# Altium PCB AEX1_PiOBD_V0.2_ALLPCB_6L.PcbDoc (part 4 of 4)
Units mm, origin at the board's own origin, x right, y up, seen from the top; angles counter-clockwise.
Board outline 130.5 x 65 mm, 6 copper layers (L1, L2(GND), L3, L4(PWR), L5(GND), L6), stack 1.565 mm thick; 307 components, 207 nets, 1196 pads, 423 vias.
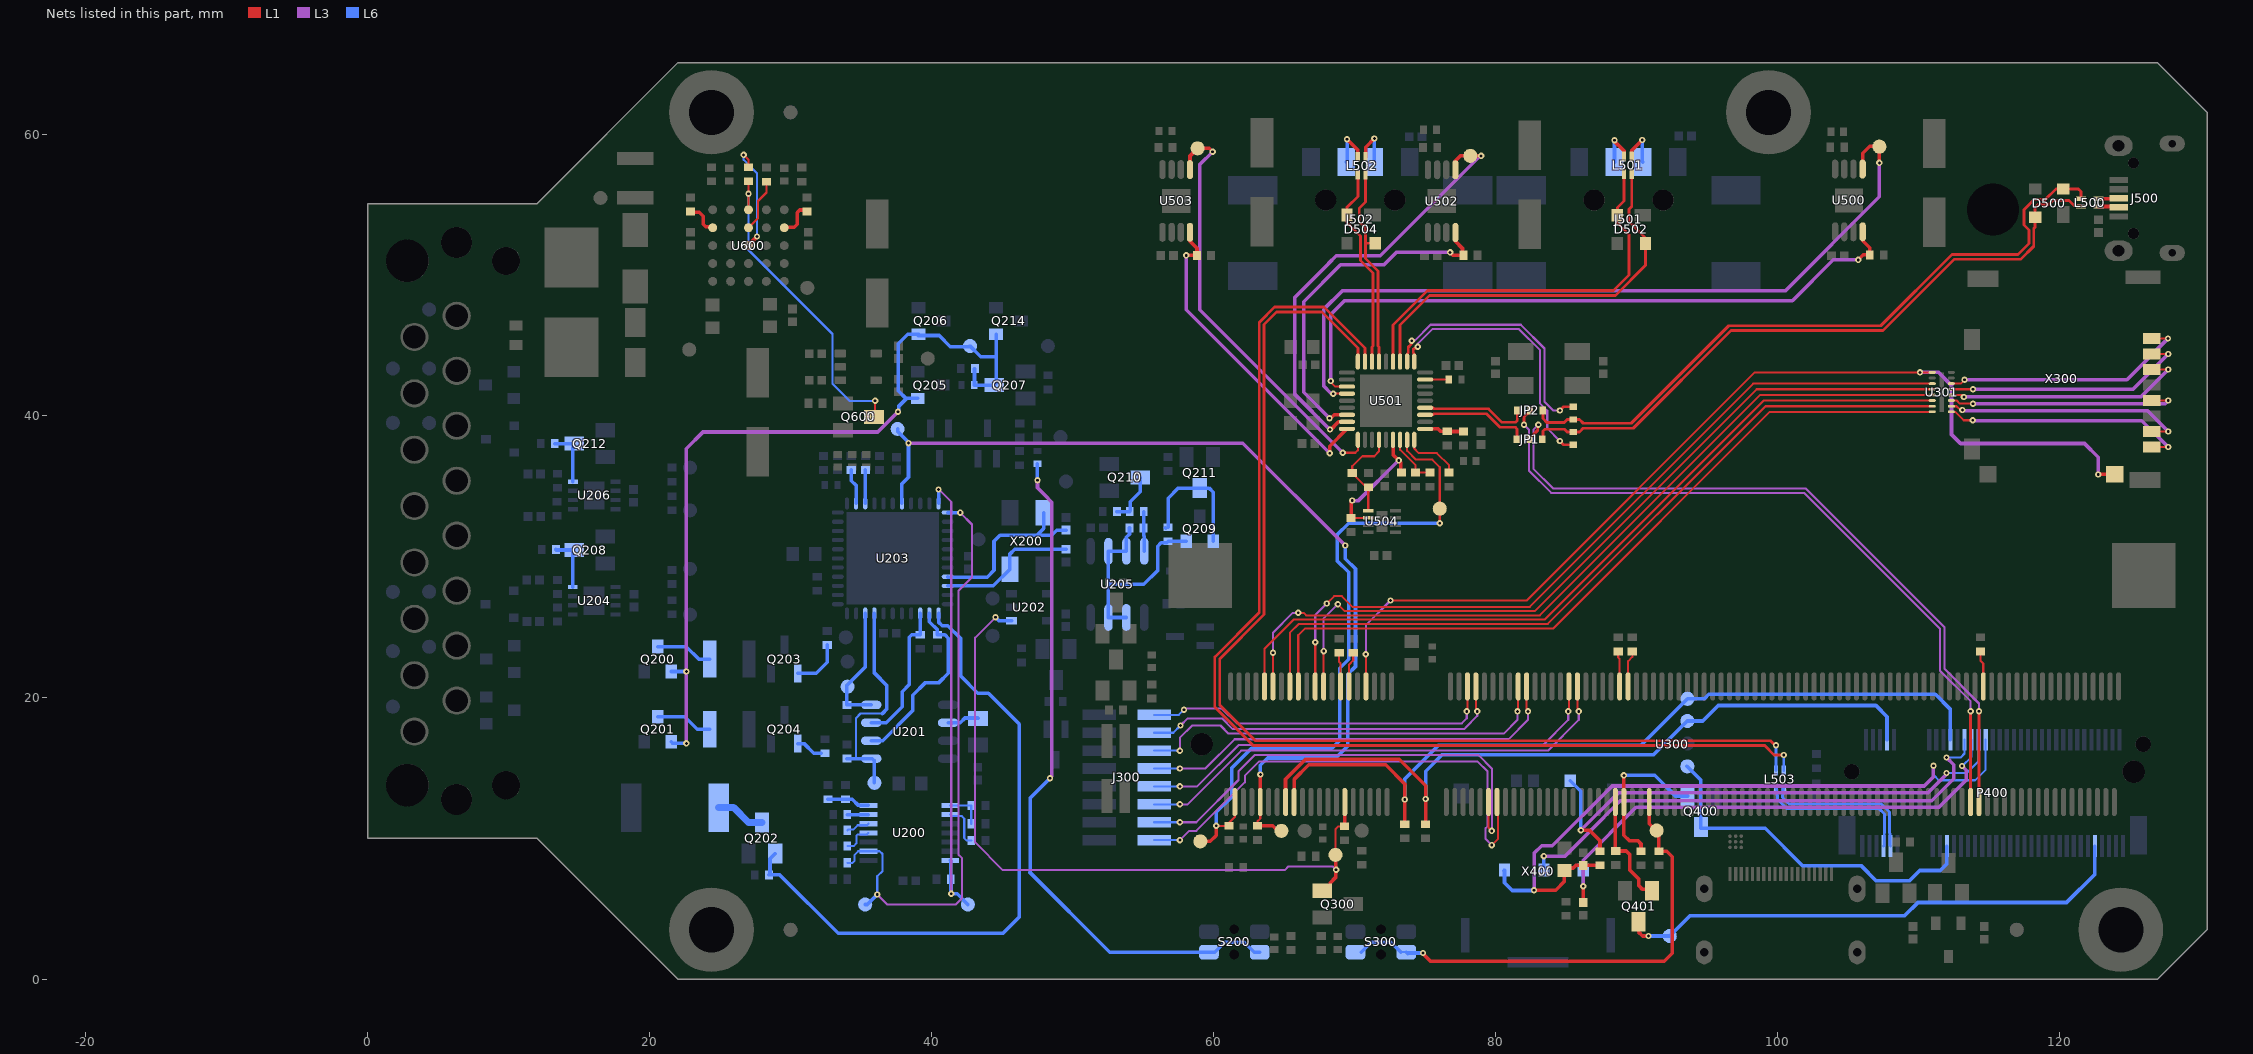
[diagram p8: the nets of this part, all layers, seen from the top]

## Via types
v1: diameter 0.45, hole 0.2, L1 to L6, tented both sides, 378 vias
v2: diameter 0.5, hole 0.2, L1 to L6, tented both sides, 45 vias

## Nets (pads, with @x,y where several pads share a name; then routed paths per layer and width w, separated by ;. In a path a pad name is that pad's centre, name@x,y a point inside that pad or via, vN(x,y) a via of type N, cw(c..) or ccw(c..) an arc to the next point about the centre after c; other vN are vias at no path point) (continued)
NetP400_8: P400.8 R306.2 TP401.1 U300.15 | length 54.3
  L1 w0.254: U300.15@65.125,12.607 65.119,12.613 65.119,14.232 66.535,15.648 73.178,15.648 75.057,13.769 v1(75.057,12.824) R306.2@75.057,11.037
  L6 w0.254: v1(75.057,12.824) 75.057,14.797 76.207,15.947 91.22,15.947 TP401.1@93.625,18.352 94.722,18.352 95.823,19.453 107.01,19.453 107.796,18.667 P400.8@107.796,17.029
NetP400_25: P400.25 Q400.D TP402.1 | length 25.6
  L6 w0.254: TP402.1@93.599,15.138 94.594,14.144 94.594,10.734 99.153,10.734 101.788,8.099 105.95,8.099 107.041,7.008 109.37,7.008 110.111,7.749 111.578,7.749 112.046,8.217 P400.25@112.046,9.479
NetP400_26: P400.26 R307.2 TP403.1 U300.17 | length 58.6
  L1 w0.254: U300.17@65.725,12.607 65.725,14.2 66.769,15.244 72.231,15.244 73.597,13.878 73.584,13.865 v1(73.584,12.783) 73.584,12.735 73.597,12.722 73.574,12.7 R307.2@73.574,11.037
  L6 w0.254: v1(73.584,12.783) 73.584,14.243 75.975,16.634 90.345,16.634 TP403.1@93.644,19.932 94.847,19.932 95.157,20.242 111.23,20.242 112.296,19.176 P400.26@112.296,17.029
NetP400_67: P400.67 Q401.D TP410.1 | length 36.9
  L1 w0.254: Q401.D@90.167,4.004 90.167,3.387 90.462,3.092 90.469,3.099 v1(90.875,3.099)
  L6 w0.254: v1(90.875,3.099) TP410.1@92.381,3.099 93.811,4.529 109.039,4.529 109.988,5.478 120.535,5.478 122.546,7.489 P400.67@122.546,9.479
NetQ200_3: Q200.3 R207.2 | length 4
  L6 w0.254: Q200.3@20.574,23.634 22.607,23.634 23.491,22.749 R207.2@24.254,22.749
NetQ201_3: Q201.3 R208.2 | length 4
  L6 w0.254: Q201.3@20.574,18.652 22.483,18.652 23.368,17.767 R208.2@24.254,17.767
NetQ202_D: Q202.D R203.1 | length 3.5
  L6 w0.5: R203.1@24.892,12.212 25.964,12.212 27.027,11.149 Q202.D@27.962,11.149
NetQ203_1: Q203.1 R211.2 | length 3.6
  L6 w0.254: Q203.1@30.517,21.734 31.817,21.734 32.602,22.519 R211.2@32.602,23.745
NetQ204_1: Q204.1 R212.1 | length 1.9
  L6 w0.254: Q204.1@30.517,16.752 30.959,16.752 31.648,16.062 32.158,16.062 R212.1@32.158,16.067
NetQ208_D: Q208.D R216.1 U204.8 | length 3.9
  L6 w0.254: R216.1@13.352,30.522 13.389,30.485 14.558,30.485 14.558,27.87 U204.8@14.548,27.86
NetQ209_1: Q209.1 Q211.D R227.1 | length 9.2
  L6 w0.254: R227.1@56.576,32.062 R227.1@56.61,32.028 ; R227.1@56.789,32.107 56.789,34.164 57.506,34.881 Q211.D@59.034,34.881 59.683,34.881 59.984,34.58 Q209.1@59.984,31.103
NetQ210_D: Q210.D R226.1 R230.2 | length 3.6
  L6 w0.254: R230.2@53.152,33.215 R226.1@54.065,33.215 54.109,33.259 54.109,33.921 54.802,34.613 Q210.D@54.802,35.641
NetQ212_D: Q212.D R229.1 U206.8 | length 4
  L6 w0.254: R229.1@13.266,38.036 14.558,38.036 U206.8@14.558,35.335
NetQ300_G: Q300.G R302.2 TP302.1 U202.1 U300.29 | length 51.8
  L1 w0.15: TP302.1@68.665,8.856 68.665,10.68 68.859,10.875 69.275,10.875 R302.2@69.292,10.892
  L1 w0.254: Q300.G@67.732,6.309 67.932,6.309 68.305,6.682 68.305,6.882 68.669,7.247 68.669,7.76 68.686,7.777 68.686,8.835 TP302.1@68.665,8.856 ; R302.2@69.292,10.892 69.308,10.908 69.308,12.59 U300.29@69.325,12.607
  L3 w0.15: v1(44.546,25.717) 43.092,24.263 43.092,9.74 45.063,7.769 65.059,7.769 65.316,8.026 68.478,8.026 v1(68.707,7.798)
  L6 w0.254: v1(44.546,25.717) 44.787,25.475 U202.1@45.675,25.475
NetQ400_G: Q400.G R315.2 U300.83 | length 11.4
  L1 w0.254: v1(89.125,14.498) U300.83@89.125,12.607 89.125,10.24 89.495,9.869 90.103,9.869 90.341,9.631 R315.2@90.341,9.118
  L6 w0.254: v1(89.125,14.498) 91.319,14.498 92.784,13.034 Q400.G@93.644,13.034
NetQ401_G: Q401.G R314.2 U300.81 | length 8.1
  L1 w0.254: U300.81@88.525,12.607 88.525,9.152 R314.2@88.544,9.132 89.289,9.132 89.535,8.886 89.535,7.782 90.17,7.147 90.17,6.685 90.452,6.404 Q401.G@91.117,6.404
NetQ600_D: Q600.D R606.2 U600.C5 | length 22.7
  L1 w0.15: U600.C5@27.014,54.626 v1(27.014,55.765) R606.2@27.014,56.65 ; Q600.D@35.919,39.933 36,40.014 v1(36,41.079)
  L6 w0.15: v1(27.014,55.765) 27.014,51.778 32.977,45.814 32.977,42.286 34.216,41.048 35.969,41.048 v1(36,41.079)
NetR202_1: R202.1 U201.6 | length 2.3
  L6 w0.254: U201.6@41.175,18.227 42.035,18.227 42.375,18.567 43.275,18.567 R202.1@43.3,18.542
NetR205_2: R205.2 R209.1 U200.7 | length 3.1
  L6 w0.254: R209.1@32.654,12.809 R205.2@33.886,12.809 34.373,12.809 34.819,12.364 U200.7@35.523,12.364
NetR206_1: R206.1 U200.6 | length 1.5
  L6 w0.254: R206.1@34.028,11.71 34.03,11.712 35.521,11.712 U200.6@35.523,11.714
NetR225_1: R225.1 R226.2 U205.4 | length 2.8
  L6 w0.254: R226.2@55.065,33.215 55.065,32.065 R225.1@55.049,32.05 55.049,31.498 55.094,31.453 U205.4@55.094,30.4
NetR235_1: R235.1 U200.4 | length 2.2
  L6 w0.15: R235.1@34.028,9.479 34.478,9.479 34.668,9.669 34.668,10.221 34.756,10.309 35.418,10.309 U200.4@35.523,10.414
NetR236_1: R236.1 U200.5 | length 1.7
  L6 w0.15: R236.1@34.028,10.604 34.092,10.668 34.478,10.668 34.769,10.959 35.418,10.959 U200.5@35.523,11.064
NetR240_1: R240.1 U203.13 | length 2.5
  L6 w0.254: R240.1@34.306,36.165 34.306,35.407 34.65,35.063 U203.13@34.65,33.792
NetR241_1: R241.1 U203.14 | length 2.4
  L6 w0.254: U203.14@35.3,33.792 35.306,33.798 R241.1@35.306,36.165
NetR243_1: R243.1 R249.2 U200.8 | length 2.8
  L6 w0.15: U200.8@41.323,12.364 R243.1@42.832,12.364 42.823,12.355 R249.2@42.823,11.064
NetR246_1: R246.1 U200.9 | length 3.1
  L6 w0.15: U200.9@41.323,11.714 41.428,11.609 42.144,11.609 42.323,11.43 42.323,10.045 42.5,9.869 R246.1@42.823,9.869
NetR247_2: R247.2 S200.3 S200.4 | length 49.3
  L3 w0.25: 48.26,34.16 48.534,33.886 ; v1(48.403,14.293) 48.534,14.424 48.534,23.717
  L3 w0.254: v1(47.518,35.437) 47.518,34.902 48.26,34.16 ; 48.534,23.717 48.534,33.886
  L6 w0.25: 46.99,7.602 46.99,12.88 v1(48.403,14.293) ; v1(47.518,35.437) R247.2@47.518,36.606 ; 58.42,1.953 S200.4@59.682,1.953 60.085,1.953 60.799,2.667 62.193,2.667 62.907,1.953 S200.3@63.282,1.953
  L6 w0.254: 46.99,7.602 52.64,1.953 58.42,1.953
NetR300_1: R300.1 TP300.1 TP501.1 U300.3 U501.26 | length 48.1
  L1 w0.15: v1(60.205,10.922) 60.213,10.914 R300.1@61.1,10.914 61.1,11.118 61.525,11.543 U300.3@61.525,12.607 ; U501.26@73.75,38.304 73.75,37.526 74.372,36.903 75.526,36.903 76.061,36.368 v1(76.061,32.382)
  L1 w0.254: TP300.1@59.074,9.817 59.788,9.817 60.205,10.234 v1(60.205,10.922)
  L6 w0.254: v1@60.205,10.914 v1(60.205,10.922) 60.205,11.871 61.316,12.983 61.316,15.028 62.71,16.422 68.413,16.422 68.961,16.971 68.961,22.107 69.596,22.742 69.596,28.906 68.796,29.706 68.796,31.582 69.596,32.382 v1(76.061,32.382)
NetR301_1: R301.1 TP215.1 TP301.1 U203.18 U300.9 | length 67.2
  L1 w0.15: R301.1@63.132,10.914 63.132,11.237 63.325,11.43 U300.9@63.325,12.607
  L1 w0.254: R301.1@63.071,10.975 R301.1@63.132,10.914 ; U300.9@63.325,12.607 63.325,14.546 v1(63.332,14.554) ; R301.1@63.386,10.914 64.217,10.914 TP301.1@64.571,10.56 ; TP301.1@64.712,10.56 TP301.1@64.825,10.56
  L3 w0.254: v1(38.37,38.072) 62.092,38.072 v1(69.362,30.803)
  L6 w0.254: TP215.1@37.592,39.078 37.592,38.903 38.368,38.127 38.368,38.074 v1(38.37,38.072) 38.37,35.649 37.9,35.18 U203.18@37.9,33.792 ; v1(63.332,14.554) 63.332,15.211 63.847,15.726 68.674,15.726 69.53,16.582 69.53,21.667 70.082,22.219 70.082,29.15 69.362,29.87 v1(69.362,30.803)
NetR304_2: R304.2 U300.30 | length 2.5
  L1 w0.15: U300.30@69.625,20.807 69.625,22.354 69.925,22.654 R304.2@69.925,23.192
NetR305_2: R305.2 U300.28 | length 2.4
  L1 w0.15: R305.2@68.925,23.192 68.925,22.537 69.025,22.437 U300.28@69.025,20.807
NetR316_2: R316.2 U300.84 | length 2.6
  L1 w0.15: U300.84@89.425,20.807 89.425,22.605 89.725,22.905 R316.2@89.725,23.292
NetR317_2: R317.2 U300.82 | length 2.5
  L1 w0.15: R317.2@88.725,23.292 88.725,22.854 88.825,22.754 U300.82@88.825,20.807
NetR318_2: R318.2 S300.3 S300.4 TP314.1 U300.89 | length 34.9
  L1 w0.254: v1(74.867,1.894) 74.821,1.894 75.403,1.312 91.99,1.312 92.55,1.872 92.55,8.729 92.16,9.118 R318.2@91.606,9.118 91.606,10.374 90.925,11.055 U300.89@90.925,12.607
  L6 w0.15: S300.3@73.391,1.953 S300.3@73.682,1.953
  L6 w0.25: S300.4@70.485,1.953 71.199,2.667 72.593,2.667 S300.3@73.307,1.953
  L6 w0.254: S300.3@73.682,1.953 73.793,1.841 73.846,1.894 v1(74.867,1.894)
NetR319_1: R319.1 U300.168 | length 2.6
  L1 w0.15: R319.1@114.425,23.292 114.425,22.63 114.625,22.43 U300.168@114.625,20.807
NetR500_2: R500.2 U501.18 U503.4 | length 23.1
  L1 w0.25: v1(58.072,51.391) R500.2@58.838,51.391 ; U503.4@58.338,52.396 U503.4@58.338,53.029
  L1 w0.254: U503.4@58.338,52.396 58.838,51.896 R500.2@58.838,51.391 ; v1(68.252,37.358) 68.252,37.856 U501.18@69.475,39.079
  L3 w0.254: v1(58.072,51.391) 58.072,47.538 v1(68.252,37.358)
NetR501_2: R501.2 U501.16 U502.4 | length 25
  L1 w0.15: R501.2@77.675,51.404 R501.2@77.74,51.404
  L1 w0.25: U502.4@77.175,53.017 77.175,52.384 77.675,51.884 R501.2@77.675,51.404
  L1 w0.254: v1(68.243,39.837) 68.332,39.837 68.575,40.079 U501.16@69.475,40.079 ; v1(76.795,51.604) 76.995,51.404 R501.2@77.675,51.404
  L3 w0.254: v1(68.243,39.837) 66.407,41.672 66.407,48.106 69.024,50.723 72.108,50.723 72.988,51.604 v1(76.795,51.604)
NetR502_2: R502.2 U500.4 U501.12 | length 47.9
  L1 w0.15: v1(68.332,42.476) 68.332,42.395 68.648,42.079 U501.12@69.475,42.079
  L1 w0.25: U500.4@106.064,53.065 106.064,52.432 106.564,51.932 R502.2@106.564,51.427
  L1 w0.254: v1(105.758,51.073) 106.111,51.427 R502.2@106.564,51.427
  L3 w0.254: v1(68.332,42.476) 68.332,47.186 68.326,47.192 69.304,48.17 101.086,48.17 103.99,51.073 v1(105.758,51.073)
NetR504_2: R504.2 U501.27 | length 4.1
  L1 w0.15: U501.27@74.25,38.304 74.25,37.685 74.577,37.358 75.855,37.358 76.723,36.49 R504.2@76.723,35.979
NetR506_2: R506.2 U501.35 | length 1.7
  L1 w0.15: U501.35@75.025,42.579 R506.2@76.7,42.579
NetR510_2: R510.2 R511.2 U501.28 | length 2.8
  L1 w0.254: U501.28@75.025,39.079 75.937,39.079 76.11,38.906 76.594,38.906 R511.2@76.596,38.908 76.608,38.895 R510.2@77.751,38.895
NetR512_1: R512.1 R517.2 U501.22 U504.5 | length 6.9
  L1 w0.15: U504.5@70.989,33.261 70.989,34.936 R512.1@70.999,34.945 70.856,34.945 R517.2@69.856,35.945 69.856,36.426 70.573,37.143 71.412,37.143 71.75,37.481 U501.22@71.75,38.304
NetR513_1: R513.1 R516.2 U501.24 U504.6 | length 9.5
  L1 w0.15: R513.1@69.769,32.761 U504.6@70.989,32.761 ; R516.2@73.301,36.028 R516.2@73.35,35.979
  L1 w0.254: R513.1@69.769,32.761 69.769,33.915 v1(69.85,33.996) ; U501.24@72.75,38.304 72.75,37.249 v1(73.152,36.847) 73.301,36.698 R516.2@73.301,36.028
  L3 w0.254: v1(69.85,33.996) 70.301,33.996 v1(73.152,36.847)
NetR514_1: R514.1 R515.2 U501.25 | length 3.8
  L1 w0.15: U501.25@73.25,38.304 73.25,37.594 74.35,36.494 R515.2@74.35,35.979 R514.1@75.375,35.979
NetR602_2: R602.2 U600.A4 | length 2.4
  L1 w0.254: R602.2@22.906,54.503 22.963,54.446 23.515,54.446 23.802,54.159 23.802,53.607 23.98,53.429 24.401,53.429 U600.A4@24.474,53.356
NetR603_2: R603.2 U600.E4 | length 2.7
  L1 w0.254: U600.E4@29.554,53.356 29.578,53.379 30.253,53.379 30.48,53.607 30.48,54.429 30.661,54.61 31.054,54.61 R603.2@31.161,54.503
NetR604_2: R604.2 U600.C4 | length 3.8
  L1 w0.15: U600.C4@27.014,53.356 27.686,54.028 27.686,55.252 28.288,55.854 R604.2@28.288,56.622
NetR606_1: R606.1 U600.C3 | length 7.8
  L1 w0.15: v1(26.67,58.522) 27.014,58.178 R606.1@27.014,57.65
  L1 w0.254: U600.C3@27.014,52.086 27.014,52.133 v1(27.614,52.733)
  L6 w0.15: 26.67,58.268 26.67,58.166 27.614,57.222 v1(27.614,52.733)
NetTP503_1: TP503.1 U500.5 U501.13 | length 56.1
  L1 w0.15: v1(68.501,41.579) U501.13@69.475,41.579
  L1 w0.254: U500.5@106.064,57.515 106.064,58.644 106.564,59.144 107.218,59.144 TP503.1@107.254,59.107 v1(107.254,57.954)
  L3 w0.254: v1(68.501,41.579) 68.369,41.579 67.818,42.131 67.818,47.547 69.163,48.892 100.593,48.892 107.254,55.554 v1(107.254,57.954)
NetTP506_1: TP506.1 U501.17 U502.5 | length 32
  L1 w0.15: U501.17@69.466,39.57 U501.17@69.475,39.579
  L1 w0.25: U502.5@77.175,57.467 77.175,58.097 77.53,58.452 TP506.1@78.232,58.452 v1(78.994,58.452)
  L1 w0.254: v1(68.27,39.032) 68.27,38.966 68.883,39.579 U501.17@69.475,39.579
  L3 w0.25: 68.174,50.812 65.786,48.424 65.786,41.516 v1(68.27,39.032) ; 74.279,53.803 76.987,56.512 ; v1@78.928,58.452 v1@78.994,58.518
  L3 w0.254: 68.174,50.812 68.719,51.358 71.833,51.358 74.279,53.803 ; 76.987,56.512 78.928,58.452 v1(78.994,58.452)
NetTP509_1: TP509.1 U501.19 U503.5 | length 30.7
  L1 w0.15: v1(69.182,37.386) 70.072,37.386 70.25,37.563 U501.19@70.25,38.304
  L1 w0.25: U503.5@58.338,57.479 58.338,58.197
  L1 w0.254: 58.338,58.197 58.338,58.447 TP509.1@58.881,58.989 59.702,58.989 v1(59.944,58.747)
  L3 w0.254: v1(59.944,58.747) 59.035,57.838 59.035,47.532 v1(69.182,37.386)
NetU301_9: U301.9 X300.8 | length 17.6
  L1 w0.15: U301.9@112.355,40.29 112.642,40.29 113.237,39.695 v1(113.881,39.695) ; X300.8@126.58,37.79 v1(127.75,37.79)
  L3 w0.254: v1(113.881,39.695) 113.91,39.666 125.874,39.666 v1(127.75,37.79)
NetU301_10: U301.10 X300.7 | length 17.3
  L1 w0.15: U301.10@112.355,40.69 112.727,40.69 112.991,40.426 v1(113.142,40.426) ; X300.7@126.58,38.89 v1(127.75,38.89)
  L3 w0.254: v1(113.142,40.426) 113.212,40.357 126.283,40.357 v1(127.75,38.89)
NetU301_11: U301.11 X300.5 | length 16.8
  L1 w0.15: U301.11@112.355,41.09 112.752,41.09 112.966,40.876 113.881,40.876 v1(113.898,40.859) ; X300.5@126.58,41.09 v1(127.75,41.09)
  L3 w0.254: v1(113.898,40.859) 127.519,40.859 v1(127.75,41.09)
NetU301_12: U301.12 X300.3 | length 17.4
  L1 w0.15: U301.12@112.355,41.49 113.102,41.49 v1(113.25,41.342) ; X300.3@126.58,43.29 v1(127.75,43.29)
  L3 w0.254: v1(113.25,41.342) 113.269,41.361 125.821,41.361 v1(127.75,43.29)
NetU301_13: U301.13 X300.2 | length 17.6
  L1 w0.15: U301.13@112.355,41.89 v1(113.898,41.89) ; X300.2@126.58,44.39 v1(127.75,44.39)
  L3 w0.254: v1(113.898,41.89) 125.25,41.89 v1(127.75,44.39)
NetU301_14: U301.14 X300.1 | length 17.9
  L1 w0.15: U301.14@112.355,42.29 113.017,42.29 v1(113.298,42.571) ; X300.1@126.58,45.49 v1(127.737,45.49)
  L3 w0.254: v1(113.298,42.571) 124.818,42.571 v1(127.737,45.49)
OSC1: C214.1 U203.30 X200.3 | length 12.8
  L6 w0.254: U203.30@41.15,28.592 41.15,28.554 43.947,28.554 44.434,29.041 44.434,31.107 44.864,31.538 47.485,31.538 ; X200.3@47.964,33.122 47.964,32.018 47.485,31.538 ; C214.1@49.547,31.898 48.891,31.898 48.531,31.538 47.485,31.538
OSC2: C215.1 U203.31 X200.1 | length 10.1
  L6 w0.25: U203.31@41.15,27.942 44.384,27.942 X200.1@45.564,29.122
  L6 w0.254: X200.1@45.564,29.122 45.564,30.204 45.903,30.542 45.905,30.54 C215.1@49.547,30.54
PWM_RX: R234.1 TP214.1 U200.2 U203.23 | length 42.9
  L3 w0.15: v1(36.149,6.047) 36.862,5.334 41.721,5.334 42.15,5.763 42.15,8.645 41.91,8.885 41.91,27.575 42.877,28.542 42.877,32.3 42.036,33.141 v1(42.035,33.142)
  L6 w0.15: R234.1@34.028,8.293 34.39,8.293 34.544,8.446 34.544,8.859 34.799,9.114 U200.2@35.523,9.114 36.321,9.114 36.518,8.918 36.518,7.706 36.149,7.337 v1(36.149,6.047)
  L6 w0.254: TP214.1@35.296,5.334 35.436,5.334 v1(36.149,6.047) ; U203.23@41.15,33.142 v1(42.035,33.142)
PWR_SAVE: JP201.2 Q200.1 Q201.1 Q205.1 Q206.1 Q207.D Q214.1 R215.1 TP207.1 | length 59.6
  L3 w0.254: v1(22.607,16.764) v1(22.607,21.864) 22.607,37.683 23.786,38.862 36.196,38.862 v1(37.624,40.29)
  L6 w0.254: Q201.1@21.524,16.882 21.642,16.764 v1(22.607,16.764) ; Q200.1@21.524,21.864 v1(22.607,21.864) ; v1(37.624,40.29) 37.662,40.328 37.662,40.67 38.232,41.24 ; Q205.1@39.029,41.24 38.232,41.24 ; R215.1@43.077,43.355 43.052,43.33 43.052,42.215 JP201.2@43.027,42.19 Q207.D@44.461,42.19 44.581,42.31 44.581,44.196 ; Q214.1@44.581,45.786 44.581,44.196 ; 38.232,41.24 38.189,41.24 37.644,41.785 37.644,45.113 38.317,45.786 Q206.1@39.077,45.786 39.077,45.709 40.539,45.709 41.334,44.914 42.686,44.914 TP207.1@42.729,44.958 43.491,44.196 44.581,44.196
RXD0_ALT0/RXD1_ALT5: J300.15 U300.53 | length 35.3
  L1 w0.15: v1(79.756,9.546) 80.206,9.996 80.206,12.526 U300.53@80.125,12.607
  L3 w0.15: v1(57.623,9.903) 58.28,10.56 58.785,10.56 62.23,14.005 62.23,14.478 63.246,15.494 64.225,15.494 77.49,15.494 78.728,15.494 79.456,14.766 79.456,10.896 79.306,10.746 79.306,9.996 v1(79.756,9.546)
  L6 w0.15: J300.15@55.798,9.903 v1(57.623,9.903)
RXD0_ALT2: J300.7 U300.60 | length 30.4
  L1 w0.15: U300.60@82.225,20.807 82.225,19.136 v1(82.325,19.036)
  L3 w0.15: v1(57.623,14.983) 59.433,14.983 61.506,17.056 80.948,17.056 82.325,18.432 v1(82.325,19.036)
  L6 w0.15: J300.7@55.798,14.983 v1(57.623,14.983)
RXD0_ALT3/RXD1_ALT5: J300.3 U300.48 | length 26.2
  L1 w0.15: U300.48@78.625,20.807 78.625,19.136 v1(78.725,19.036)
  L3 w0.15: v1(57.668,18.034) 57.668,18.036 58.171,18.539 60.608,18.539 61.368,17.779 77.789,17.779 77.907,17.898 78.725,18.715 v1(78.725,19.036)
  L6 w0.15: J300.3@55.798,17.523 57.157,17.523 v1(57.668,18.034)
RXD1_ALT3: J300.11 U300.72 | length 35
  L1 w0.15: U300.72@85.825,20.807 85.825,19.136 v1(85.925,19.036)
  L3 w0.15: v1(57.623,12.443) 58.171,12.443 61.976,16.248 83.74,16.248 85.925,18.432 v1(85.925,19.036)
  L6 w0.15: J300.11@55.798,12.443 v1(57.623,12.443)
SDX_CLK: U300.10 U301.6 | length 57.4
  L1 w0.15: U300.10@63.625,20.807 63.625,23.49 65.684,25.549 83.496,25.549 99.038,41.09 U301.6@111.005,41.09
SDX_CMD: U300.12 U301.5 | length 57.7
  L1 w0.15: U300.12@64.225,20.807 v1(64.225,23.192) ; v1(66.025,26.03) 66.407,26.03 66.589,25.849 83.164,25.849 98.806,41.49 U301.5@111.005,41.49
  L3 w0.15: v1(64.225,23.192) 64.225,24.613 65.643,26.03 v1(66.025,26.03)
SDX_D0: U300.16 U301.7 | length 56
  L1 w0.15: U300.16@65.425,20.807 65.425,24.604 66.07,25.249 83.732,25.249 99.173,40.69 U301.7@111.005,40.69
SDX_D1: U300.18 U301.8 | length 55.2
  L1 w0.15: U300.18@66.025,20.807 66.025,24.442 66.493,24.909 84.092,24.909 99.473,40.29 U301.8@111.005,40.29
SDX_D2: U300.22 U301.3 | length 56.3
  L1 w0.15: U300.22@67.225,20.807 v1(67.225,23.94) ; v1(68.047,26.692) 68.564,27.21 69.104,27.21 69.862,26.451 82.459,26.451 98.298,42.29 U301.3@111.005,42.29
  L3 w0.15: v1(67.225,23.94) 67.225,25.87 v1(68.047,26.692)
SDX_D3: U300.24 U301.4 | length 55.1
  L1 w0.15: U300.24@67.825,20.807 v1(67.825,23.31) ; v1@68.834,26.625 69.308,26.151 82.813,26.151 98.552,41.89 U301.4@111.005,41.89
  L3 w0.15: v1(67.825,23.31) 67.825,25.632 v1(68.834,26.641)
SW_CAN_LOAD: Q202.G R210.2 U203.34 | length 46.3
  L6 w0.254: Q202.G@28.912,8.949 28.539,8.576 28.539,7.51 R210.2@28.462,7.433 29.238,7.433 33.375,3.295 45.077,3.295 46.228,4.446 46.228,18.136 44.039,20.325 43.292,20.325 42.069,21.548 42.069,24.205 41.157,25.118 40.755,25.118 40.5,25.372 U203.34@40.5,25.992
SW_CAN_MODE0: R214.1 U201.2 U203.35 | length 13.2
  L6 w0.254: U201.2@35.725,16.957 36.534,16.957 38.677,19.1 38.677,20.186 39.573,21.082 40.53,21.082 41.199,21.751 41.199,24.231 40.954,24.476 R214.1@40.422,24.476 ; U203.35@39.85,25.992 39.85,25.407 40.422,24.835 R214.1@40.422,24.5
SW_CAN_MODE1: R213.1 U201.3 U203.36 | length 10.2
  L6 w0.254: U201.3@35.725,18.227 36.784,18.227 37.919,19.362 37.919,20.438 38.423,20.943 38.423,24.292 38.607,24.476 R213.1@39.2,24.476 U203.36@39.2,25.992
SW_CAN_RX: R200.2 TP201.1 U201.4 U203.42 | length 8.8
  L6 w0.254: U203.42@35.3,25.992 35.3,22.187 34.036,20.924 34,20.887 R200.2@34,19.497 U201.4@35.725,19.497
SW_CAN_TX: R201.1 TP200.1 U201.1 U203.41 | length 16.1
  L6 w0.15: 34.544,15.687 34.65,15.793 34.65,18.57 34.965,18.885 36.518,18.885
  L6 w0.254: R201.1@34.007,15.687 34.544,15.687 U201.1@35.725,15.687 35.79,15.687 35.95,15.527 TP200.1@35.95,13.965 ; U203.41@35.95,25.992 35.95,21.759 36.835,20.874 36.835,19.203 36.518,18.885
TXD0_ALT0/TXD1_ALT5: J300.13 U300.51 | length 33.4
  L1 w0.15: U300.51@79.525,12.607 79.525,10.791 v1(79.756,10.56) v1@79.756,10.445
  L3 w0.15: v1(57.623,11.173) 58.786,11.173 61.782,14.169 61.782,14.792 62.932,15.942 63.749,15.942 63.754,15.948 78.794,15.948 79.756,14.986 v1(79.756,10.56)
  L6 w0.15: J300.13@55.798,11.173 v1(57.623,11.173)
TXD0_ALT2: J300.5 U300.58 | length 31.7
  L1 w0.15: v1(81.578,19.036) 81.625,19.083 U300.58@81.625,20.807
  L3 w0.15: v1(57.623,16.248) 57.623,17.169 58.489,18.034 60.501,18.034 61.075,17.46 80.605,17.46 81.578,18.432 v1(81.578,19.036)
  L6 w0.15: v1@57.401,16.253 J300.5@55.798,16.253 55.803,16.248 57.401,16.248 v1(57.623,16.248)
TXD0_ALT3/TXD1_ALT5: J300.1 U300.46 | length 25.2
  L1 w0.15: v1(77.978,19.036) 78.025,19.083 U300.46@78.025,20.807
  L3 w0.15: v1(57.912,19.156) 58.002,19.246 60.614,19.246 61.677,18.183 77.622,18.183 77.978,18.539 v1(77.978,19.036)
  L6 w0.15: J300.1@55.798,18.793 57.549,18.793 v1(57.912,19.156)
TXD1_ALT3: J300.9 U300.70 | length 33.7
  L1 w0.15: v1(85.178,19.036) 85.225,19.083 U300.70@85.225,20.807
  L3 w0.15: v1(57.623,13.713) 58.849,13.713 61.788,16.652 83.397,16.652 85.178,18.432 v1(85.178,19.036)
  L6 w0.15: J300.9@55.798,13.713 v1(57.623,13.713)
UIM1_CLK: C400.2 P400.32 X400.1 | length 37
  L1 w0.254: v1(86.244,6.63) v1(86.244,6.63) 86.246,5.473 C400.2@86.247,5.472
  L3 w0.254: v1(86.244,6.63) 86.244,8.482 89.991,12.229 111.485,12.229 113.419,14.163 113.419,14.855 v1(113.114,15.159)
  L6 w0.15: v1(113.114,15.159) 113.142,15.159 113.796,15.813 P400.32@113.796,17.029
  L6 w0.254: v1(86.244,6.63) 86.244,7.771 X400.1@86.251,7.778
UIM1_DATA: P400.34 R401.2 X400.4 | length 38.1
  L1 w0.254: v1(86.075,10.604) 86.692,10.604 87.433,9.864 R401.2@87.433,9.118
  L3 w0.254: v1(86.075,10.604) 88.721,13.25 110.694,13.25 112.014,14.57 v1(112.014,14.663)
  L6 w0.15: v1(112.014,14.663) 113.448,14.663 114.296,15.512 P400.34@114.296,17.029
  L6 w0.254: X400.4@85.322,14.116 86.075,13.364 v1(86.075,10.604)
UIM1_PWR: C401.2 C402.2 P400.36 R401.1 X400.3 | length 50.2
  L1 w0.254: v1(82.753,6.342) 84.28,6.342 84.904,6.966 C401.2@84.904,7.748 85.08,7.923 85.531,7.923 85.714,8.106 C402.2@86.238,8.106 86.244,8.112 87.427,8.112 R401.1@87.433,8.106 ; C401.2@84.687,7.766 84.719,7.798 C401.2@84.687,7.829
  L3 w0.254: v1(82.753,6.342) 82.753,8.963 83.289,9.499 84.05,9.499 88.292,13.741 110.442,13.741 111.091,14.389 v1(111.091,15.181)
  L6 w0.15: v1(111.091,15.181) 111.091,14.527 111.47,14.148 114.046,14.148 114.796,14.898 P400.36@114.796,17.029
  L6 w0.254: X400.3@80.612,7.736 X400.3@80.652,7.776 80.652,6.887 81.209,6.33 82.741,6.33 v1(82.753,6.342)
UIM1_RESET: P400.30 X400.2 | length 36.5
  L3 w0.254: v1(83.447,8.766) 84.947,8.766 86.577,10.396 86.577,10.398 88.871,12.692 110.967,12.692 112.541,14.266 112.541,15.241 v1(112.014,15.768)
  L6 w0.15: v1(112.014,15.768) 113.02,15.768 113.296,16.044 P400.30@113.296,17.029
  L6 w0.254: v1(83.447,8.766) 83.452,8.76 X400.2@83.452,7.776
USB1_N: J500.2 L500.3 | length 1.5
  L1 w0.254: L500.3@122.8,54.859 124.166,54.859 J500.2@124.23,54.795
USB1_P: J500.3 L500.2 | length 1.4
  L1 w0.254: L500.2@122.8,55.409 124.193,55.409 J500.3@124.23,55.445
USB2_N: J501.2 L501.3 | length 3.1
  L1 w0.254: L501.3@89.683,58.407 89.683,58.836 v1(90.424,59.577)
  L6 w0.254: v1(90.424,59.577) 90.424,58.053 J501.2@90.459,58.018
USB2_P: J501.3 L501.2 | length 3.1
  L1 w0.254: v1(88.459,59.56) 88.407,59.56 88.392,59.545 89.133,58.804 L501.2@89.133,58.407
  L6 w0.254: J501.3@88.459,58.018 v1(88.459,59.56)
USB3_N: J502.2 L502.3 | length 3.2
  L1 w0.254: L502.3@70.8,58.389 70.8,59.058 v1(71.423,59.68)
  L6 w0.254: J502.2@71.423,58.018 v1(71.423,59.68)
USB3_P: J502.3 L502.2 | length 3.2
  L1 w0.254: v1(69.485,59.636) 70.25,58.871 L502.2@70.25,58.389
  L6 w0.254: J502.3@69.423,58.018 69.485,58.08 v1(69.485,59.636)
USB_LTE_N: L503.3 P400.9 | length 11.2
  L6 w0.2: L503.3@100.471,13.586 100.421,13.536 100.421,13.162 100.371,13.112 100.371,12.936 100.832,12.475 107.385,12.475 107.971,11.889 107.971,10.403 107.996,10.378 107.996,9.529 P400.9@108.046,9.479
USB_LTE_P: L503.2 P400.7 | length 11.2
  L6 w0.2: L503.2@99.921,13.586 99.971,13.536 99.971,13.162 100.021,13.112 100.021,12.791 100.687,12.125 107.24,12.125 107.621,11.744 107.621,10.403 107.596,10.378 107.596,9.529 P400.7@107.546,9.479
USB_RPI_N: JP1.1 U300.167 | length 51.8
  L1 w0.2: JP1.1@82.433,38.354 82.433,38.404 83.01,38.981 83.01,39.322 v1(83.058,39.37) ; U300.167@114.325,12.607 v1(114.325,19.05)
  L3 w0.15: v1(83.058,39.37) 82.705,39.017 82.705,36.246 84.102,34.849 102.038,34.849 111.869,25.018 111.869,22.049 114.325,19.594 v1(114.325,19.05)
USB_RPI_P: JP2.1 U300.165 | length 51.6
  L1 w0.2: v1(82.042,39.37) 82.042,39.919 82.459,40.336 JP2.1@82.459,40.386 ; U300.165@113.725,12.607 v1(113.725,19.05)
  L3 w0.15: v1(82.042,39.37) 82.395,39.017 82.395,36.117 83.974,34.539 101.91,34.539 111.559,24.89 111.559,21.921 113.725,19.755 v1(113.725,19.05)
USBDN1_N: JP3.2 U501.1 | length 19.3
  L1 w0.2: U501.1@74.25,43.854 74.231,43.873 74.231,44.435 74.175,44.491 74.175,44.729 74.235,44.789 74.304,44.789 74.429,44.914 v1(74.496,44.914) ; v1(84.582,38.22) 84.844,37.958 JP3.2@85.537,37.958
  L3 w0.15: v1(74.496,44.914) 74.496,45.12 75.534,46.157 81.681,46.157 83.185,44.653 83.185,40.869 83.688,40.366 83.688,39.114 v1(84.582,38.22)
USBDN1_P: JP4.2 U501.2 | length 18.4
  L1 w0.2: U501.2@73.75,43.854 73.769,43.873 73.769,44.435 73.825,44.491 73.825,44.874 74.024,45.073 74.024,45.291 v1(74.072,45.339) ; v1(84.582,40.386) 84.844,40.648 JP4.2@85.537,40.648
  L3 w0.15: v1(74.072,45.339) 74.277,45.339 75.406,46.467 81.809,46.467 83.495,44.782 83.495,40.997 84.106,40.386 v1(84.582,40.386)
USBDN2_N: D502.4 L501.4 U501.3 | length 28.8
  L1 w0.2: U501.3@73.25,43.854 73.25,46.459 75.346,48.556 88.523,48.556 90.662,50.695 D502.4@90.662,52.237 90.662,52.633 89.484,53.812 89.484,54.662 89.683,54.861 L501.4@89.683,57.157
USBDN2_P: D502.2 L501.1 U501.4 | length 28.5
  L1 w0.2: U501.4@72.75,43.854 72.75,46.454 75.201,48.906 88.378,48.906 89.484,50.011 89.484,52.865 88.662,53.687 D502.2@88.662,54.237 88.662,54.787 89.133,55.258 L501.1@89.133,57.157
USBDN3_N: D504.4 L502.4 U501.6 | length 14.8
  L1 w0.2: L502.4@70.8,57.139 70.8,55.173 70.344,54.717 70.344,53.793 70.783,53.353 70.783,52.261 ; D504.4@71.485,52.255 70.789,52.255 70.783,52.261 ; U501.6@71.75,43.854 71.75,44.882 71.675,44.957 71.675,50.277 70.783,51.168 70.783,52.261
USBDN3_P: D504.2 L502.1 U501.7 | length 14.4
  L1 w0.2: L502.1@70.25,57.139 70.25,55.57 69.485,54.805 D504.2@69.485,54.255 69.485,53.705 70.433,52.757 70.433,51.023 70.51,50.946 71.325,50.132 71.325,44.957 71.25,44.882 U501.7@71.25,43.854
USBDN4_N: L503.4 U501.8 | length 81.6
  L1 w0.2: U501.8@70.75,43.854 70.75,44.82 67.851,47.719 64.343,47.719 63.252,46.628 63.252,26.051 60.102,22.902 60.102,19.334 60.205,19.231 62.831,16.605 99.118,16.605 99.776,15.947 v1(100.471,15.947)
  L6 w0.2: L503.4@100.471,14.836 v1(100.471,15.947)
USBDN4_P: L503.1 U501.9 | length 79.8
  L1 w0.2: U501.9@70.25,43.854 70.25,44.825 67.706,47.369 64.488,47.369 63.602,46.483 63.602,25.906 60.452,22.757 60.452,19.479 62.976,16.955 99.532,16.955 99.853,16.634 v1(99.921,16.634)
  L6 w0.2: L503.1@99.921,14.836 v1(99.921,16.634)
USBDNX_N: D500.4 JP1.3 JP3.1 L500.4 | length 47.4
  L1 w0.2: JP1.3@83.333,38.354 83.39,38.411 83.39,38.929 83.52,39.059 84.905,39.059 85.106,38.858 JP3.1@85.537,38.858 85.968,38.858 86.238,39.128 89.793,39.128 96.715,46.05 107.5,46.05 112.561,51.111 117.277,51.111 118.209,52.043 118.209,53.293 118.306,53.391 D500.4@118.306,54.104 118.306,54.781 118.522,54.997 119.273,54.997 119.572,55.296 120.718,55.296 121.105,54.909 121.5,54.909 L500.4@121.55,54.859
USBDNX_P: D500.2 JP2.3 JP4.1 L500.1 | length 48.4
  L1 w0.2: JP2.3@83.359,40.386 83.379,40.366 83.379,39.811 83.65,39.54 84.898,39.54 85.106,39.748 JP4.1@85.537,39.748 85.977,39.748 86.247,39.478 89.648,39.478 96.57,46.4 107.355,46.4 112.416,51.461 117.095,51.461 117.859,52.225 117.859,53.203 117.526,53.536 117.526,54.628 118.244,55.347 119.024,55.347 119.782,56.104 D500.2@120.306,56.104 121.366,56.104 121.55,55.92 L500.1@121.55,55.409
USBDNZ_N: JP1.2 U501.30 | length 7.7
  L1 w0.2: U501.30@75.025,40.079 75.044,40.098 75.606,40.098 75.661,40.154 79.367,40.154 80.326,39.195 81.429,39.195 81.546,39.078 81.546,38.408 JP1.2@81.512,38.375
  L1 w0.254: JP1.2@81.512,38.375 JP1.2@81.533,38.354
USBDNZ_P: JP2.2 U501.31 | length 7.7
  L1 w0.2: U501.31@75.025,40.579 75.044,40.56 75.606,40.56 75.661,40.504 79.512,40.504 80.471,39.545 81.429,39.545 81.559,39.675 JP2.2@81.559,40.386
V_J1850: Q209.2 R225.2 R227.2 U205.2 U205.3 U205.6 U205.7 | length 16.8
  L6 w0.254: U205.6@53.824,25.699 U205.7@52.554,25.699 52.554,28.049 ; R225.2@54.049,32.05 54.049,31.612 53.824,31.387 U205.3@53.824,30.4 U205.2@52.554,30.4 52.554,28.049 ; Q209.2@58.084,31.103 58.08,31.107 R227.2@56.789,31.107 56.674,30.993 56.289,30.993 56.049,30.752 56.049,29.034 55.064,28.049 52.554,28.049
VPW_RX: R244.1 TP217.1 U200.14 U203.22 | length 34
  L3 w0.15: v1@40.513,34.795 41.402,33.906 v1(41.402,6.096)
  L6 w0.254: U203.22@40.5,33.792 v1(40.5,34.782) ; U200.14@41.323,8.464 41.362,8.425 R244.1@41.362,7.125 41.382,7.105 41.382,6.116 v1(41.402,6.096) 41.818,6.096 TP217.1@42.58,5.334
WP/CD: U300.34 U301.1 X300.9 | length 71.5
  L1 w0.15: v1(70.815,23.085) 70.815,20.817 U300.34@70.825,20.807 ; v1(72.568,26.901) 82.226,26.901 98.415,43.09 v1(110.138,43.09) U301.1@111.005,43.09
  L1 w0.254: v1@122.781,35.85 X300.9@123.95,35.85
  L3 w0.15: v1(70.815,23.085) 70.815,25.149 v1(72.568,26.901)
  L3 w0.254: v1(110.138,43.09) 111.446,43.09 112.372,42.164 112.372,38.683 113.013,38.042 121.809,38.042 122.781,37.07 v1(122.781,35.84)
pads on no net: D100.3 D200.2 D201.2 D202.2 D203.2 D207.2 FD1.1 FD2.1 FD3.1 FD4.1 FD5.1 FD6.1 J1.17 J500.4 J500.MH1 J500.MH2 J501.MH1 J501.MH2 J502.MH1 J502.MH2 P100.8 P100.9 P100.12 P100.13 P100.M P400.1 P400.20 P400.21 P400.22 P400.23 P400.24 P400.28 P400.29 P400.31 P400.35 P400.37 P400.38 P400.41 P400.42 P400.43 P400.44 P400.46 P400.47 P400.48 P400.49 P400.50 P400.52 P400.53 P400.54 P400.55 P400.56 P400.58 P400.59 P400.60 P400.61 P400.62 P400.63 P400.64 P400.65 P400.66 P400.68 P400.69 P400.75 P400.M S200.H1 S200.H2 S300.H1 S300.H2 U200.13 U205.5 U205.8 U300.11 U300.23 U300.35 U300.36 U300.45 U300.47 U300.52 U300.54 U300.57 U300.59 U300.63 U300.64 U300.65 U300.66 U300.69 U300.71 U300.75 U300.76 U300.77 U300.78 U300.87 U300.93 U300.94 U300.95 U300.96 U300.99 U300.100 U300.101 U300.102 U300.105 U300.106 U300.107 U300.108 U300.112 U300.114 U300.118 U300.120 U300.124 U300.126 U300.128 U300.130 U300.132 U300.135 U300.136 U300.137 U300.138 U300.141 U300.142 U300.143 U300.144 U300.147 U300.148 U300.149 U300.150 U300.153 U300.154 U300.155 U300.156 U300.158 U300.159 U300.160 U300.161 U300.162 U300.166 U300.172 U300.174 U300.176 U300.177 U300.178 U300.179 U300.180 U300.MH1 U300.MH2 U301.2 U302.B1 U500.8 U501.5 U501.11 U501.20 U501.21 U501.34 U502.8 U503.8 U600.A5 U600.E5 X300.11 X300.12 X300.13 X300.14 X300.15 X400.5
copper on no net: | length 0.5
  L1 w0.15: 68.985,42.579 69.475,42.579

## Polygon pours and split planes (outlines as drawn)
GND on L1 "GND_L01_P095" (solid, pour order 95): -0.046,10 -0.045,55.019 11.955,55.019 21.935,65 126.954,65 130.454,61.5 130.454,3.5 130.455,3.5 126.955,0 21.955,0 11.955,10
DLC on L1 "L1-DLC_IC" (solid, pour order 18): 30.139,51.288 30.139,50.439 29.807,50.107 27.943,50.107 27.614,50.436 26.296,50.436 26.006,50.146 20.701,50.146 20.701,51.653 24.807,51.653 24.807,52.616 25.209,53.019 28.879,53.019 29.554,52.344 29.554,51.605 29.775,51.605
1.8V on L1 "L1-1.8V" (solid, pour order 44): 118.837,11.562 118.998,11.401 119.878,11.407 120.025,11.554 120.025,19.3 120.325,19.719 120.325,21.921 120.103,22.142 119.323,22.142 119.125,21.945 119.125,14.11 118.837,13.822
3.3V on L1 "L1-3.3V" (solid, pour order 32): 22.041,50.216 25.881,50.216 26.205,49.916 26.204,48.507 25.301,47.414 25.038,47.048 25.038,45.661 26.425,45.661 29.864,45.661 29.864,41.048 29.175,40.497 22.511,40.497 21.844,41.164 21.844,49.974
3.3V on L1 "3.3V_L01_P093" (solid, pour order 93): 32.004,45.653 35.142,45.653 35.142,43.868 35.087,43.813 32.004,43.813
5V on L1 "5V_L01_P087" (solid, pour order 87): 35.052,50.009 35.062,50.018 38.1,50.018 38.1,45.816 35.052,45.816
5V on L1 "L1-5V" (solid, pour order 38): 37.165,49.988 28.13,50.03 27.851,49.751 27.851,47.534 28.091,47.294 31.379,47.294 31.996,46.55 32.003,45.816 37.167,45.816 37.165,46.098
GND on L6 "GND_L06_P097" (solid, pour order 97): 0,10.042 0,55.061 12,55.061 21.981,65.042 127,65.042 130.5,61.542 130.5,3.542 127,0.042 22,0.042 12,10.042
5V on L6 "5V_L06_P083" (solid, pour order 83): 36.727,50.018 40.056,50.018 40.056,45.816 36.727,45.816
3.3V_SW on L6 "L6-3.3V_SW" (solid, pour order 91): 45.466,45.212 45.974,44.704 47.327,44.704 48.701,46.077 48.701,47.802 47.913,48.59 45.974,48.59 45.466,48.082
3.3V on L6 "L6-3.3V" (solid, pour order 89): 42.519,46.183 42.564,46.228 45.466,46.228 45.466,47.93 45.39,48.006 46.228,48.844 46.228,49.898 43.429,49.898 42.519,48.988
GND on L3 "GND_L03_P099" (solid, remove dead copper, pour order 99): 0,10.042 0,55.061 12,55.061 21.981,65.042 127,65.042 130.5,61.542 130.5,3.542 127,0.042 22,0.042 12,10.042
GND on L2(GND) (split plane): 129.99,61.33 129.99,3.753 126.789,0.552 22.211,0.552 12.361,10.403 12.284,10.466 12.195,10.513 12.1,10.542 12,10.552 0.51,10.552 0.51,54.551 12,54.551 12.1,54.56 12.195,54.589 12.284,54.637 12.361,54.7 22.192,64.531 126.789,64.531
3.3V on L4(PWR) (split plane): 129.99,61.33 129.99,3.753 126.789,0.552 22.211,0.552 12.361,10.403 12.284,10.466 12.195,10.513 12.1,10.542 12,10.552 0.51,10.552 0.51,54.551 12,54.551 12.1,54.56 12.195,54.589 12.284,54.637 12.361,54.7 22.192,64.531 126.789,64.531
3.3V_SW on L4(PWR) (split plane): 59.894,53.422 59.944,53.412 119.779,53.412 123.425,49.765 128.594,44.597 128.594,38.881 128.594,15.514 123.732,10.651 51.62,10.651 50.257,12.015 50.257,40.328 50.248,40.37 50.224,40.406 45.068,45.562 45.068,47.452 46.306,48.69 46.33,48.726 46.338,48.768 46.338,48.844 46.338,50.452 47.745,51.858 49.318,53.432 59.88,53.432
GND on L5(GND) (split plane): 129.99,61.33 129.99,3.753 126.789,0.552 22.211,0.552 12.361,10.403 12.284,10.466 12.195,10.513 12.1,10.542 12,10.552 0.51,10.552 0.51,54.551 12,54.551 12.1,54.56 12.195,54.589 12.284,54.637 12.361,54.7 22.192,64.531 126.789,64.531

## Keep-outs
Keep-Out Layer:
  lines w0.6: 22,0.042 12,10.042 0,10.042 0,55.061 12,55.061 21.981,65.042 127,65.042 ; 22,0.042 22,0.042 ; 22,0.042 127,0.042 ; 127,0.042 127,0.042 ; 127,0.042 130.5,3.542 ; 127,65.042 130.5,61.542 ; 127,65.042 127,65.042 ; 130.5,3.542 130.5,3.542 ; 130.5,3.542 130.5,61.542 ; 130.5,61.542 130.5,61.542

## Other copper
L1:
  pour cut-out: 115.951,64.05 123.955,64.05 123.955,61.768 123.95,61.764 115.951,61.764
  pour cut-out: 116.314,62.211
  pour cut-out: 116.366,63.227
  pour cut-out: 116.084,63.034
  pour cut-out: 20.663,48.582
  text "1" at 116.314,62.211 h1.2
  text "TOP" at 118.866,60.533 h1.2
L3:
  pour cut-out: 115.951,64.05 123.955,64.05 123.955,61.768 123.95,61.764 115.951,61.764
  text "3" at 118.714,62.211 h1.2
L6:
  pour cut-out: 2.865,10.795 cw(c2.865,13.795) -0.135,13.795 cw(c2.865,13.795) 2.865,16.795 cw(c2.865,13.795) 5.865,13.795 cw(c2.865,13.795)
  pour cut-out: 2.859,48.032 cw(c2.859,51.032) -0.141,51.032 cw(c2.859,51.032) 2.859,54.032 cw(c2.859,51.032) 5.859,51.032 cw(c2.859,51.032)
  pour cut-out: 9.782,48.041 cw(c9.782,51.041) 6.782,51.041 cw(c9.782,51.041) 9.782,54.041 cw(c9.782,51.041) 12.782,51.041 cw(c9.782,51.041)
  pour cut-out: 9.748,10.845 cw(c9.748,13.845) 6.748,13.845 cw(c9.748,13.845) 9.748,16.845 cw(c9.748,13.845) 12.748,13.845 cw(c9.748,13.845)
  pour cut-out: 115.951,64.05 123.955,64.05 123.955,61.768 123.95,61.764 115.951,61.764
  text "6" at 123.514,62.211 h1.2
  text "BOT" at 121.033,60.533 h1.2
L2(GND) (plane layer: these items are gaps in the copper):
  text "2" at 117.514,62.211 h1.2
L5(GND) (plane layer: these items are gaps in the copper):
  text "5" at 121.114,62.211 h1.2
L4(PWR) (plane layer: these items are gaps in the copper):
  lines w0.216: 59.944,53.542 49.272,53.542 47.667,51.936 46.228,50.497 46.228,48.844 46.228,48.768 44.958,47.498 44.958,45.517 50.147,40.328 50.147,11.969 51.575,10.541 123.777,10.541 128.724,15.487
  lines w0.254: 59.944,53.542 119.832,53.542 123.517,49.857 128.724,44.65 128.724,38.881 128.724,15.487
  text "4" at 119.914,62.211 h1.2

## Silkscreen, mask and mechanical layers (free items; w line width, h text height)
Top Overlay:
  drawing of 30 lines, arcs and shapes, not listed
  text "USB Port Power" at 73.671,60.96 h0.8
  text "USB Port Power" at 54.915,60.909 h0.8
  text "USB Port Power" at 102.888,60.884 h0.8
  text "3V3 Fail" at 31.517,59.182 h0.8 r50
  text "5V Fail" at 33.094,58.622 h0.8 r50
  text "USB Suspend" at 77.455,34.874 h0.8
  text "Status" at 35.89,31.28 h0.8 r90
  text "OBD Act" at 33.603,30.419 h0.8 r90
  text "Host Act" at 34.747,29.783 h0.8 r90
  text "USB-Boot / User" at 55.956,23.423 h0.8 r90
  text "1-3 USB Boot Off / 2-4 USB-Boot On" at 49.987,12.35 h0.8 r90
  text "KUKSA Retrofit Prototyping Platform / https://www.eclipse.org/kuksa/ / V0.2 © 2019 Eclipse KUKSA Project" at 13.564,10.82 h2
  text "Pi-On" at 63.478,0.946 h0.8 r90
  text "User" at 70.714,0.946 h0.8 r90
Bottom Overlay:
  lines w0.216: 31.064,25.121 31.953,24.232 32.918,24.232 ; 42.037,23.647 42.519,24.129 42.519,27.787 43.282,28.55 43.282,30.277 ; 43.332,23.622 43.332,26.213 43.561,26.441
  lines w0.254: 57.353,11.173 58.703,11.173 59.131,10.744 60.071,10.744 ; 57.353,13.716 59.893,13.716 ; 57.404,17.551 57.887,17.551 58.445,18.11 59.868,18.11 ; 57.404,18.745 57.836,18.745 58.572,19.482 59.766,19.482 ; 57.429,12.443 59.758,12.443 59.907,12.294 ; 57.429,14.983 59.661,14.983 59.893,15.215 ; 57.455,9.903 58.372,9.903 58.979,9.296 59.868,9.296 60.122,9.296
  text "WAN Act" at 101.016,10.795 h0.8 r270
  text "GPIO32 / GPIO33 / GPIO36 / GPIO37 / GPIO40 / GPIO41 / GPIO14 / GPIO15" at 65.938,8.709 h1
  text "UART-STN" at 57.785,6.088 h1
  text "WAKE" at 63.25,5.205 h1
  text "SHUTDOWN" at 75.5,5.205 h1

## Text inside footprints (layer, text, board x,y; h text height)
J1: Mechanical 2 "PCB Edge" at 98.423,0.034 h0.61
J300: Bottom Overlay "16" at 52.348,8.001 h0.8; Bottom Overlay "15" at 56.464,8.001 h0.8; Bottom Overlay "2" at 52.348,19.939 h0.8; Bottom Overlay "1" at 55.531,19.939 h0.8
J301: Top Overlay "1" at 55.042,16.358 h0.8; Top Overlay "2" at 55.042,12.624 h0.8; Top Overlay "3" at 50.571,16.358 h0.8; Top Overlay "4" at 50.571,12.624 h0.8
J500: Mechanical 2 "PCB Edge" at 130.43,54.145 h1 r90
J501: Mechanical 2 "PCB Edge" at 91.459,48.818 h1
J502: Mechanical 2 "PCB Edge" at 72.423,48.818 h1
JP1: Mechanical 13 "3" at 83.3,38.468 h0.1; Mechanical 13 "1" at 82.416,38.468 h0.1; Mechanical 13 "2" at 81.5,38.468 h0.1; Top Overlay "2" at 80.258,37.904 h0.8; Top Overlay "3" at 84.008,37.904 h0.8
JP2: Mechanical 13 "3" at 83.326,40.5 h0.1; Mechanical 13 "1" at 82.442,40.5 h0.1; Mechanical 13 "2" at 81.526,40.5 h0.1; Top Overlay "2" at 80.284,39.936 h0.8; Top Overlay "3" at 84.034,39.936 h0.8